# Altium PCB LimeNet-Micro_2v0.PcbDoc (part 2 of 11)
Units mm, origin at the board's own origin, x right, y up, seen from the top; angles counter-clockwise.
Board outline 75 x 143 mm, 6 copper layers (Top, L2, L3, L4, L5, Bottom), stack 1.583 mm thick; 781 components, 551 nets, 3551 pads, 1336 vias.
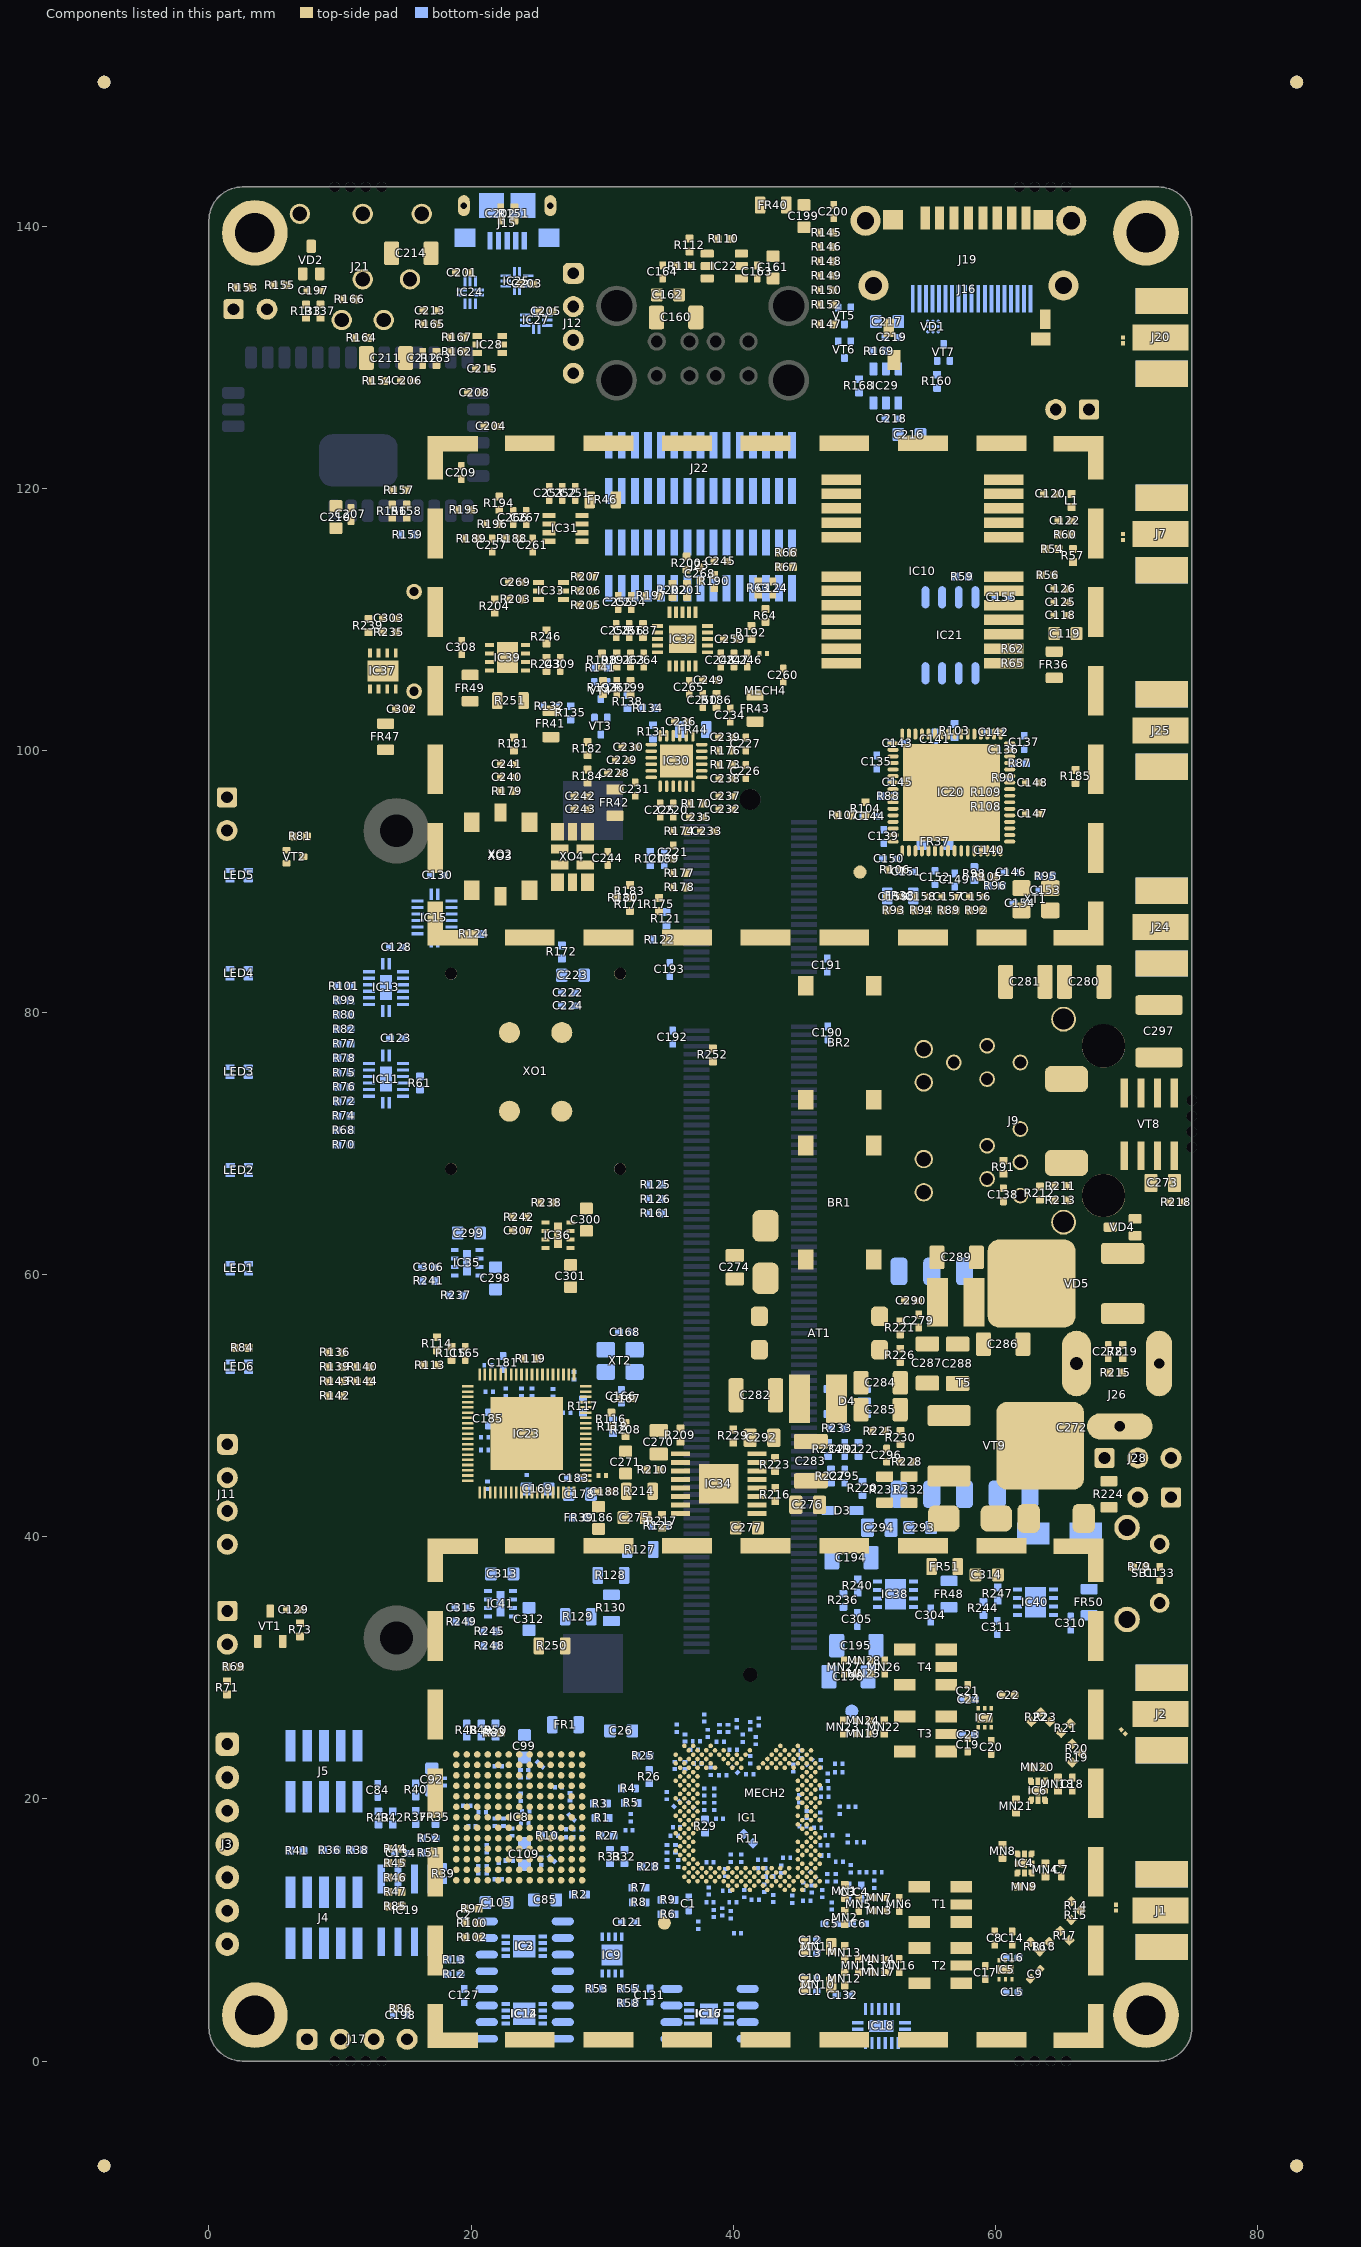
[diagram p6: the components of this part, seen from the top]

## Components (designator, comment, footprint, x,y, rotation, side; value= is the part's Value field where it differs from the comment) (continued)
R75 "100R, 1%" RES0402#1 10.308,75.425 r0 bottom
R76 "100R, 1%" RES0402#1 10.308,74.325 r0 bottom
R77 "100R, 1%" RES0402#1 10.308,77.625 r0 bottom
R78 "100R, 1%" RES0402#1 10.305,76.525 r0 bottom
R79 "10k, 1%" RES0402#2 71,37.7 r0 top
R80 "100R, 1%" RES0402#1 10.308,79.825 r0 bottom
R81 "0R" RES0402#2 6.975,93.45 r0 top
R82 "100R, 1%" RES0402#1 10.308,78.725 r0 bottom
R83 "1k, 1%" RES0402#2 21.772,25.05 r0 top
R84 "249R, 1%" RES0402#2 2.525,54.412 r0 top
R85 "10k, 1%" RES0402#2 14.2,11.8 r0 top
R86 "10k, 1%" RES0402#2 14.625,4 r180 top
R87 "10k, 1%" RES0402#1 61.85,99.025 r180 bottom
R88 "10k, 1%" RES0402#1 51.825,96.525 r0 bottom
R89 "49.9R, 1%" RES0402#2 56.45,87.8 r180 top
R90 "0R" RES0402#1 60.625,97.925 r0 bottom
R91 "10R, 5%" RES0402#2 60.625,68.2 r270 top
R92 "49.9R, 1%" RES0402#2 58.55,87.8 r0 top
R93 "49.9R, 1%" RES0402#2 52.25,87.8 r180 top
R94 "49.9R, 1%" RES0402#2 54.35,87.8 r0 top
R95 "0R" RES0402#1 63.85,90.4 r0 bottom
R96 "0R" RES0402#1 60,89.675 r180 bottom
R97 "10k, 1%" RES0402#2 20.075,11.625 r0 top
R98 "1M, 1%" RES0402#1 58.4,90.6 r90 bottom
R99 "100R, 1%" RES0402#1 10.308,80.925 r180 bottom
R100 "10k, 1%" RES0402#2 20.075,10.525 r0 top
R101 "100R, 1%" RES0402#1 10.307,82.025 r180 bottom
R102 "10k, 1%" RES0402#2 20.075,9.425 r0 top
R103 "10k, 1%" RES0402#1 56.9,101.525 r90 bottom
R104 "0R" RES0402#2 50.1,95.55 r270 top
R105 "12k, 1%" RES0402#2 59.4,90.35 r180 top
R106 "12.4k, 1%" RES0402#2 52.375,90.9 r180 top
R107 "0R" RES0402#2 48.475,95.05 r180 top
R108 "0R" RES0402#1 59.325,95.7 r180 bottom
R109 "0R" RES0402#1 59.325,96.8 r180 bottom
R110 "10k, 1%" RES0402#2 39.295,139.045 r180 top
R111 "44.2k, 1%" RES0402#2 36.17,136.97 r180 top
R112 "44.2k, 1%" RES0402#2 36.67,138.57 r90 top
R113 "0R" RES0402#2 16.9,53.1 r0 top
R114 "4K7, 1%" RES0402#2 17.4,54.725 r90 top
R115 "10k, 1%" RES0402#2 18.5,54 r270 top
R116 "10k, 1%" RES0402#2 30.7,48.975 r90 top
R117 "10k, 1%" RES0402#1 28.55,49.975 r270 bottom
R118 "10k, 1%" RES0402#1 30.825,48.4 r270 bottom
R119 "1k6, 1%" RES0402#2 24.55,53.6 r0 top
R120 "0R" RES0402#1 33.675,91.75 r270 bottom
R121 "100k, 1%" RES0402#1 34.9,87.175 r270 bottom
R122 "100k, 1%" RES0402#1 34.4,85.575 r0 bottom
R123 "1k, 1%" RES0402#1 34.325,40.825 r0 bottom
R124 "0R" RES0402#1 20.25,86 r180 bottom
R125 "100k, 1%" RES0402#1 34.075,66.875 r0 bottom
R126 "100k, 1%" RES0402#1 34.075,65.775 r0 bottom
R127 "0R" RES0805#1 32.9,39.025 r180 bottom
R128 "0R" RES0805#1 30.675,37.05 r180 bottom
R129 "0R" RES0805#1 28.175,33.9 r180 bottom
R130 "0R" RES0805#1 30.7,34.575 r90 bottom
R131 "0R" RES0402#1 33.875,101.425 r90 bottom
R132 "0R" RES0402#1 26,103.375 r0 bottom
R133 "0R" RES0402#2 7.407,133.525 r270 top
R134 "100k, 1%" RES0402#1 33.535,103.235 r180 bottom
R135 "100k, 1%" RES0402#1 27.6,102.875 r270 bottom
R136 "0R" RES0402#2 9.65,54.075 r0 top
R137 "0R" RES0402#2 8.507,133.525 r90 top
R138 "0R" RES0402#1 31.935,103.735 r270 bottom
R139 "0R" RES0402#2 9.65,52.964 r0 top
R140 "3k, 1%" RES0402#2 11.75,52.964 r180 top
R141 "100k, 1%" RES0402#1 29.9,106.325 r180 bottom
R142 "0R" RES0402#2 9.65,50.753 r0 top
R143 "0R" RES0402#2 9.65,51.864 r0 top
R144 "3k, 1%" RES0402#2 11.75,51.864 r180 top
R145 "10R, 5%" RES0402#2 47.125,139.525 r0 top
R146 "10R, 5%" RES0402#2 47.125,138.425 r0 top
R147 "47.5k, 1%" RES0402#2 47.138,132.513 r0 top
R148 "10R, 5%" RES0402#2 47.125,137.325 r0 top
R149 "10R, 5%" RES0402#2 47.125,136.225 r0 top
R150 "10R, 5%" RES0402#2 47.125,135.125 r0 top
R151 "1M" RES0402#2 23.3,140.95 r270 top
R152 "10R, 5%" RES0402#2 47.125,134.025 r0 top
R153 "0R" RES0402#2 2.6,135.325 r0 top
R154 "0R" RES0402#2 12.875,128.2 r180 top
R155 "100k, 1%" RES0402#2 5.425,135.5 r0 top
R156 "1k, 1%" RES0402#2 13.985,118.26 r270 top
R157 "1k, 1%" RES0402#2 14.535,119.86 r0 top
R158 "0R" RES0402#2 15.085,118.26 r90 top
R159 "0R" RES0402#1 15.15,116.475 r180 bottom
R160 "100k, 1%" RES0402#1 55.56,128.175 r90 bottom
R161 "100k, 1%" RES0402#1 34.075,64.675 r0 bottom
R162 "249R, 1%" RES0402#2 18.947,130.425 r180 top
R163 "100R, 1%" RES0402#2 17.347,129.925 r90 top
R164 "2k2, 1%" RES0402#2 11.65,131.485 r180 top
R165 "100R, 1%" RES0402#2 16.875,132.525 r180 top
R166 "2k2, 1%" RES0402#2 10.725,134.425 r0 top
R167 "249R, 1%" RES0402#2 18.947,131.525 r180 top
R168 "10k, 1%" RES0402#1 49.6,127.825 r90 bottom
R169 "44.2k, 1%" RES0402#1 51.15,130.475 r180 bottom
R170 "0R" RES0402#2 37.2,95.95 r180 top
R171 "0R" RES0402_v2 32.125,88.25 r270 top
R172 "0R" RES0402#1 26.925,84.625 r270 bottom
R173 "0R" RES0402#2 39.425,98.9 r180 top
R174 "49.9R, 1%" RES0402#2 35.925,93.85 r180 top
R175 "0R" RES0402_v2 34.35,88.25 r270 top
R176 "0R" RES0402#2 39.425,100 r180 top
R177 "0R" RES0402_v2 35.925,90.65 r0 top
R178 "0R" RES0402_v2 35.925,89.55 r0 top
R179 "0R" RES0402#2 22.761,96.9 r0 top
R180 "0R" RES0402_v2 31.625,88.75 r180 top
R181 "0R" RES0402#2 23.261,100.5 r90 top
R182 "0R" RES0402#2 28.886,100.15 r270 top
R183 "0R" RES0402_v2 32.125,89.25 r270 top
R184 "22R" RES0402#2 28.886,98.05 r270 top
R185 "0R" RES0402#2 66.125,98.025 r90 top
R186 "49.9R, 1%" RES0402#2 38.738,103.825 r90 top
R187 "10R, 5%" RES0402#2 33.113,109.15 r90 top
R188 "1k, 1%" RES0402#2 23.15,116.175 r0 top
R189 "0R" RES0402#2 20.05,116.175 r0 top
R190 "1k, 1%" RES0402#2 38.55,112.9 r90 top
R191 "470R, 0.5%" RES0402#2 31.113,106.9 r270 top
R192 "49.9R, 1%" RES0402#2 41.388,109 r270 top
R193 "0R" RES0402#2 30.063,104.8 r270 top
R194 "3k, 1%" RES0402#2 22.15,118.875 r90 top
R195 "1k, 1%" RES0402#2 19.5,118.375 r180 top
R196 "10k, 1%" RES0402#2 21.65,117.275 r180 top
R197 "10k, 1%" RES0402#2 33.77,111.8 r180 top
R198 "10k, 1%" RES0402#2 30,106.9 r270 top
R199 "330R, 5%" RES0402#2 32.163,104.8 r90 top
R200 "49.9R, 1%" RES0402#2 36.45,114.3 r270 top
R201 "49.9R, 1%" RES0402#2 36.463,112.225 r270 top
R202 "49.9R, 1%" RES0402#2 35.363,112.225 r270 top
R203 "3k, 1%" RES0402#2 23.4,111.525 r0 top
R204 "10k, 1%" RES0402#2 21.8,111.025 r270 top
R205 "49.9R, 1%" RES0402#2 28.8,111.075 r0 top
R206 "49.9R, 1%" RES0402#2 28.8,112.175 r0 top
R207 "49.9R, 1%" RES0402#2 28.8,113.275 r0 top
R208 "10R, 5%" RES0402#2 31.792,48.175 r90 top
R209 "88.7k, 1%" RES0402#2 35.974,47.762 r270 top
R210 "10k, 1%" RES0402#2 33.874,45.112 r0 top
R211 "0R" RES0402#2 65.011,66.765 r0 top
R212 "33k, 1%" RES0402#2 63.4,66.225 r270 top
R213 "0R" RES0402#2 65.011,65.675 r0 top
R214 "52.3R, 1%" RES0805#2 32.85,43.475 r180 top
R215 "15k, 1%" RES0402#2 69.187,52.525 r180 top
R216 "10k, 1%" RES0402#2 43.208,43.225 r270 top
R217 "15k, 1%" RES0402#2 34.574,41.187 r270 top
R218 "330k, 1%" RES0402#2 73.825,65.525 r180 top
R219 "10R, 5%" RES0402#2 69.725,54.125 r270 top
R220 "10R, 5%" RES0402#1 49.875,43.7 r90 bottom
R221 "10R, 5%" RES0402#2 52.745,55.95 r90 top
R222 "21k, 1%" RES0402#1 49.555,46.675 r270 bottom
R223 "1k, 1%" RES0402#2 43.2,45.515 r270 top
R224 "0R" RES0805#2 68.675,43.25 r90 top
R225 "10R, 5%" RES0402#2 51.106,48.067 r0 top
R226 "1k, 1%" RES0402#2 52.745,53.85 r90 top
R227 "10k, 1%" RES0402#1 47.455,44.625 r90 bottom
R228 "100R, 1%" RES0402#2 53.275,45.725 r0 top
R229 "0R" RES0402#2 40,47.7 r90 top
R230 "10k, 1%" RES0402#2 52.775,47.567 r270 top
R231 "0.47R" RES0805#2 51.556,43.6 r270 top
R232 "0.47R" RES0805#2 53.425,43.6 r270 top
R233 "15k, 1%" RES0402#1 47.956,48.275 r180 bottom
R234 "12.4k, 1%" RES0402#1 47.231,46.675 r90 bottom
R235 "1k, 1%" RES0402#2 13.768,109.025 r0 top
R236 "560R, 1%" RES0402#1 48.405,35.154 r270 bottom
R237 "118k, 1%" RES0402#1 18.855,58.425 r0 bottom
R238 "118k, 1%" RES0402#2 25.777,65.5 r0 top
R239 "470R, 0.5%" RES0402#2 12.168,109.525 r90 top
R240 "1k, 1%" RES0402#1 49.505,36.254 r270 bottom
R241 "150k, 1%" RES0402#1 16.755,59.525 r0 bottom
R242 "150k, 1%" RES0402#2 23.677,64.4 r0 top
R243 "1.6k, 1%" RES0402#2 25.75,106.575 r270 top
R244 "750R, 1%" RES0402#1 59.088,34.536 r90 bottom
R245 "0R" RES0402#1 21.405,32.775 r180 bottom
R246 "510R, 1%" RES0402#2 25.75,108.675 r90 top
R247 "1k, 1%" RES0402#1 60.188,35.636 r270 bottom
R248 "187k, 1%" RES0402#1 21.405,31.675 r0 bottom
R249 "82.5k, 1%" RES0402#1 19.305,33.525 r0 bottom
R250 "0R" RES0805#2 26.175,31.675 r180 top
R251 "0R" RES0805#2 23,103.8 r180 top
R252 "22R" RES0402#2 38.45,76.775 r90 top
SB1 "Switch tactile right edge" SW_TACTILE_RIGHT_EDGE 71.3,37.2 r270 bottom
T1 "TC1-1-13M-45+" TC1-1-13MA+_JA4220-AL_ 55.801,11.949 r270 top
T2 "TC1-1-13M-45+" TC1-1-13MA+_JA4220-AL_ 55.811,7.274 r270 top
T3 "TC1-1-13M-45+" TC1-1-13MA+_JA4220-AL_ 54.681,24.953 r270 top
T4 "TC1-1-13M-45+" TC1-1-13MA+_JA4220-AL_ 54.681,30.053 r270 top
T5 "Flyback transformer PoE13P-50L" PoE13P-50L_Flyback_transformer 57.65,51.75 r90 bottom locked
VD1 "ESD5384" TVS_ESD5384NCTBG 55.25,132.35 r90 bottom
VD2 "BAV99WT1G" SC-70_BAV99WT1G 7.8,137.425 r90 top
VD3 "SMAJ58A" SMAJ58A_SHOTTKY_DIODE 42.475,61.725 r90 top
VD4 "BZX84C15W" SOT323 69.725,63.625 r180 top
VD5 "STPS15L30C" STPS15L30C_SHOTTKY_RECTIFIER_DPAK 66.7,59.325 r0 top
VD6 "SMAJ58A" SMAJ58A_SHOTTKY_DIODE 58.075,41.4 r180 top
VD7 "SMBJ5V0A" SMAJ12CA-13-F 64.95,40.25 r0 bottom
VT1 "IRLML6244TRPBF" SOT23-3 4.675,33.175 r90 top
VT2 "DMG1012T" SOT523 6.56,91.889 r0 top
VT3 "DMG1012T" SOT523 29.905,101.863 r270 bottom
VT4 "DMG1012T" SOT523 29.9,104.575 r270 bottom
VT5 "DMG1012T" SOT523 48.493,133.158 r270 bottom
VT6 "DMG1012T" SOT523 48.493,130.588 r270 bottom
VT7 "DMG1012T" SOT523 56.05,130.38 r90 bottom
VT8 "STS10N3LH5" STS10P3LLH6_PMOS_SO8 71.75,71.475 r90 top
VT9 "STD5N20LT4" STD5N20LT4_NMOS_DPAK 59.5,46.95 r180 top locked
XO1 "U7475LF 30.72MHz" AOCJYR-10.000MHZ 24.925,75.475 r270 top locked
XO2 "E6245LF 30.72 MHz" RAKON_RPT7050A 22.25,92.075 r90 top
XO3 "E5280LF 30.72MHz" RAKON_TXCO 22.25,92.075 r90 top
XO4 "RTX5032A, 40.00MHz" RAKON_RTX5032A 27.736,91.875 r270 top
XT1 "25MHz" CRYSTAL_4-LCC#1 63.1,88.65 r180 top
XT2 "30MHz" CRYSTAL_4-LCC#2 31.375,53.425 r0 bottom

## Footprints (in the part's own frame and the unit in brackets; to place one, negate y for a bottom-side part, rotate by r counter-clockwise, add the part's x,y. Pads: shape width x height; smd on the part's side, far side on the other; paste and mask are expansions set on the pad)
10M16SAU169C8G [mm] "BGA, 169-Leads, Body 11,00x11,00mmx1,55mm, Pitch 0,80mm"
  round 0.5 smd mask+0.05: A1(-4.8,4.8) A2(-4,4.8) A3(-3.2,4.8) A4(-2.4,4.8) A5(-1.6,4.8) A6(-0.8,4.8) A7(0,4.8) A8(0.8,4.8) A9(1.6,4.8) A10(2.4,4.8) A11(3.2,4.8) A12(4,4.8) A13(4.8,4.8) B1(-4.8,4) B2(-4,4) B3(-3.2,4) B4(-2.4,4) B5(-1.6,4) B6(-0.8,4) B7(0,4) B8(0.8,4) B9(1.6,4) B10(2.4,4) B11(3.2,4) B12(4,4) B13(4.8,4) C1(-4.8,3.2) C2(-4,3.2) C3(-3.2,3.2) C4(-2.4,3.2) C5(-1.6,3.2) C6(-0.8,3.2) C7(0,3.2) C8(0.8,3.2) C9(1.6,3.2) C10(2.4,3.2) C11(3.2,3.2) C12(4,3.2) C13(4.8,3.2) D1(-4.8,2.4) D2(-4,2.4) D3(-3.2,2.4) D4(-2.4,2.4) D5(-1.6,2.4) D6(-0.8,2.4) D7(0,2.4) D8(0.8,2.4) D9(1.6,2.4) D10(2.4,2.4) D11(3.2,2.4) D12(4,2.4) D13(4.8,2.4) E1(-4.8,1.6) E2(-4,1.6) E3(-3.2,1.6) E4(-2.4,1.6) E5(-1.6,1.6) E6(-0.8,1.6) E7(0,1.6) E8(0.8,1.6) E9(1.6,1.6) E10(2.4,1.6) E11(3.2,1.6) E12(4,1.6) E13(4.8,1.6) F1(-4.8,0.8) F2(-4,0.8) F3(-3.2,0.8) F4(-2.4,0.8) F5(-1.6,0.8) F6(-0.8,0.8) F7(0,0.8) F8(0.8,0.8) F9(1.6,0.8) F10(2.4,0.8) F11(3.2,0.8) F12(4,0.8) F13(4.8,0.8) G1(-4.8,0) G2(-4,0) G3(-3.2,0) G4(-2.4,0) G5(-1.6,0) G6(-0.8,0) G7(0,0) G8(0.8,0) G9(1.6,0) G10(2.4,0) G11(3.2,0) G12(4,0) G13(4.8,0) H1(-4.8,-0.8) H2(-4,-0.8) H3(-3.2,-0.8) H4(-2.4,-0.8) H5(-1.6,-0.8) H6(-0.8,-0.8) H7(0,-0.8) H8(0.8,-0.8) H9(1.6,-0.8) H10(2.4,-0.8) H11(3.2,-0.8) H12(4,-0.8) H13(4.8,-0.8) J1(-4.8,-1.6) J2(-4,-1.6) J3(-3.2,-1.6) J4(-2.4,-1.6) J5(-1.6,-1.6) J6(-0.8,-1.6) J7(0,-1.6) J8(0.8,-1.6) J9(1.6,-1.6) J10(2.4,-1.6) J11(3.2,-1.6) J12(4,-1.6) J13(4.8,-1.6) K1(-4.8,-2.4) K2(-4,-2.4) K3(-3.2,-2.4) K4(-2.4,-2.4) K5(-1.6,-2.4) K6(-0.8,-2.4) K7(0,-2.4) K8(0.8,-2.4) K9(1.6,-2.4) K10(2.4,-2.4) K11(3.2,-2.4) K12(4,-2.4) K13(4.8,-2.4) L1(-4.8,-3.2) L2(-4,-3.2) L3(-3.2,-3.2) L4(-2.4,-3.2) L5(-1.6,-3.2) L6(-0.8,-3.2) L7(0,-3.2) L8(0.8,-3.2) L9(1.6,-3.2) L10(2.4,-3.2) L11(3.2,-3.2) L12(4,-3.2) L13(4.8,-3.2) M1(-4.8,-4) M2(-4,-4) M3(-3.2,-4) M4(-2.4,-4) M5(-1.6,-4) M6(-0.8,-4) M7(0,-4) M8(0.8,-4) M9(1.6,-4) M10(2.4,-4) M11(3.2,-4) M12(4,-4) M13(4.8,-4) N1(-4.8,-4.8) N2(-4,-4.8) N3(-3.2,-4.8) N4(-2.4,-4.8) N5(-1.6,-4.8) N6(-0.8,-4.8) N7(0,-4.8) N8(0.8,-4.8) N9(1.6,-4.8) N10(2.4,-4.8) N11(3.2,-4.8) N12(4,-4.8) N13(4.8,-4.8)
  silkscreen extent -6.37,-5.6 5.6,5.6, body extent -5.5,-5.5 5.5,5.5, height 1.65
74HC595BQ,115 [mm]
  rect 0.9x0.25 smd mask+0.05: 1(-1.8,-0.25) 8(1.8,-0.25) 9(1.8,0.25) 16(-1.8,0.25)
  rect 0.25x0.9 smd mask+0.05: 2(-1.3,-1.3) 3(-0.8,-1.3) 4(-0.3,-1.3) 5(0.2,-1.3) 6(0.7,-1.3) 7(1.2,-1.3) 10(1.2,1.3) 11(0.7,1.3) 12(0.2,1.3) 13(-0.3,1.3) 14(-0.8,1.3) 15(-1.3,1.3)
  rect 1.9x0.9 smd paste-2 mask+0.05: PAD(0,0)
  silkscreen extent -2.3,-1.8 2.3,1.8, body extent -1.8,-1.07 1.8,1.08, height 1
AD5601_SOT23-6 [mm] "SOT23, 6-Leads, Body 2x1.3mm, Pitch 0.65mm, Lead Span 2.1mm, IPC Medium Density"
  rect 0.85x0.4 smd mask+0.05: 1(-0.95,0.65) 2(-0.95,0) 3(-0.95,-0.65) 4(0.95,-0.65) 5(0.95,0) 6(0.95,0.65)
  silkscreen extent -1.07,-1.1 0.15,1.52, body extent -1.05,-1 1.05,1, height 0.43
AD5662_SOT23-8 [mm]
  rect 1x0.4 smd mask+0.05: 1(-1.25,0.975) 2(-1.25,0.325) 3(-1.25,-0.325) 4(-1.25,-0.975) 5(1.25,-0.975) 6(1.25,-0.325) 7(1.25,0.325) 8(1.25,0.975)
  silkscreen extent -1.29,-1.4 0.3,1.51, body extent -1.4,-1.49 1.4,1.45, height 1.2
ADF4002 [mm]
  rect 0.85x0.3 smd mask+0.05: 1(-2.05,1) 2(-2.05,0.5) 3(-2.05,0) 4(-2.05,-0.5) 5(-2.05,-1) 11(2.05,-1) 12(2.05,-0.5) 13(2.05,0) 14(2.05,0.5) 15(2.05,1)
  rect 0.3x0.85 smd mask+0.05: 6(-1,-1.9) 7(-0.5,-1.9) 8(0,-1.9) 9(0.5,-1.9) 10(1,-1.9) 16(1,1.9) 17(0.5,1.9) 18(0,1.9) 19(-0.5,1.9) 20(-1,1.9)
  rect 2.1x2.1 smd: 21(0,0)
  silkscreen extent -2.97,-2.03 2.2,2.02, body extent -2.02,-2.02 2.02,2.02, height 0.8
AOCJYR-10.000MHZ [mm]
  round 0.9 hole 0.9 unplated: 0(-7.5,6.45) 0(-7.5,-6.45) 0(7.4,6.45) 0(7.4,-6.45)
  round 1.6 smd mask+0.05: 1(-3,-2) 2(3,-2) 3(3,2) 4(-3,2)
  Top pour cut-out: 7.4,6.45 7.4,7.55 7.821,7.466 8.178,7.228 8.416,6.871 8.5,6.45 8.5,6.45
  Top pour cut-out: 7.4,6.45 7.4,5.35 6.979,5.434 6.622,5.672 6.384,6.029 6.3,6.45 6.3,6.45
  Top pour cut-out: 7.4,6.45 6.3,6.45 6.384,6.871 6.622,7.228 6.979,7.466 7.4,7.55 7.4,7.55
  Top pour cut-out: 7.4,6.45 8.5,6.45 8.416,6.029 8.178,5.672 7.821,5.434 7.4,5.35 7.4,5.35
  Top pour cut-out: -7.5,6.45 -7.5,7.55 -7.079,7.466 -6.722,7.228 -6.484,6.871 -6.4,6.45 -6.4,6.45
  Top pour cut-out: -7.5,6.45 -7.5,5.35 -7.921,5.434 -8.278,5.672 -8.516,6.029 -8.6,6.45 -8.6,6.45
  Top pour cut-out: -7.5,6.45 -8.6,6.45 -8.516,6.871 -8.278,7.228 -7.921,7.466 -7.5,7.55 -7.5,7.55
  Top pour cut-out: -7.5,6.45 -6.4,6.45 -6.484,6.029 -6.722,5.672 -7.079,5.434 -7.5,5.35 -7.5,5.35
  Top pour cut-out: -7.5,-6.45 -7.5,-5.35 -7.079,-5.434 -6.722,-5.672 -6.484,-6.029 -6.4,-6.45 -6.4,-6.45
  Top pour cut-out: -7.5,-6.45 -7.5,-7.55 -7.921,-7.466 -8.278,-7.228 -8.516,-6.871 -8.6,-6.45 -8.6,-6.45
  Top pour cut-out: -7.5,-6.45 -8.6,-6.45 -8.516,-6.029 -8.278,-5.672 -7.921,-5.434 -7.5,-5.35 -7.5,-5.35
  Top pour cut-out: -7.5,-6.45 -6.4,-6.45 -6.484,-6.871 -6.722,-7.228 -7.079,-7.466 -7.5,-7.55 -7.5,-7.55
  Top pour cut-out: 7.4,-6.45 8.5,-6.45 8.416,-6.871 8.178,-7.228 7.821,-7.466 7.4,-7.55 7.4,-7.55
  Top pour cut-out: 7.4,-6.45 6.3,-6.45 6.384,-6.029 6.622,-5.672 6.979,-5.434 7.4,-5.35 7.4,-5.35
  Top pour cut-out: 7.4,-6.45 7.4,-7.55 6.979,-7.466 6.622,-7.228 6.384,-6.871 6.3,-6.45 6.3,-6.45
  Top pour cut-out: 7.4,-6.45 7.4,-5.35 7.821,-5.434 8.178,-5.672 8.416,-6.029 8.5,-6.45 8.5,-6.45
  Top pour cut-out: 4.9,-0.5 4.9,3.9 -4.9,3.9 -4.9,-3.9 1.525,-3.9 1.525,-0.5
  silkscreen extent -9,-8 9,8, body extent -4.9,-3.75 4.9,3.75, height 4.2
AP7361 [mm] "Low noise LDO"
  rect 0.7x0.3 smd mask+0.05: 1(-1.375,0.975) 2(-1.375,0.325) 3(-1.375,-0.325) 4(-1.375,-0.975) 5(1.375,-0.975) 6(1.375,-0.325) 7(1.375,0.325) 8(1.375,0.975)
  rect 1.6x2.35 smd mask+0.05: 9(0,0)
  silkscreen extent -2.34,-1.7 2,1.7, body extent -1.52,-1.5 1.5,1.5, height 0.8
ATECC508A_UDFN8 [mm]
  rect 0.8x0.3 smd mask+0.05: 1(-1.5,0.75) 2(-1.5,0.25) 3(-1.5,-0.25) 4(-1.5,-0.75) 5(1.5,-0.75) 6(1.5,-0.25) 7(1.5,0.25) 8(1.5,0.75)
  rect 1.4x1.6 smd mask+0.05: PAD(0,0)
  silkscreen extent -1.64,-1.1 1.2,1.24, body extent -1.5,-1 1.5,1, height 0.53
Audio_jack_3.5mm [mm]
  round 1.55 hole 1.1 mask+0.05: 1(2.9,4.8) 2(7.9,-3.6) 3(11,1.6) 4(2.9,-4.5) 5(11,-1.6) 6(2.9,0) 7(7.9,0)
  silkscreen extent 1.3,-5.3 11.6,5, body extent -2.5,-5.3 11.5,4.9, height 5.2
BAT46JFILM_shottky_diode_SOD323 [mm] "SOD-323; 2 Leads; Body 1.8 x 1.35 mm, (LxW)"
  round 0.508 on Mech14: 0(0,0)
  rrect25% 1.1x0.7 smd: A(1.05,0) C(-1.05,0)
  silkscreen extent -1.2,-0.9 0.63,0.75, body extent -1.3,-0.68 1.3,0.67, height 1.1
BUZZER_WST-1203UX [mm]
  round 1.2 hole 0.7 mask+0.05: 1(0,3.8) 2(0,-3.8)
  silkscreen extent -6.3,-6.3 6.3,6.3, body extent -6,-6.03 6,9.43, height 9.65
CAP0201 [mm]
  rect 0.3x0.35 smd mask+0.05: 1(-0.28,0) 2(0.28,0)
  silkscreen extent -0.2,-0.33 0.2,0.32, body extent -0.3,-0.15 0.3,0.15, height 0.25
CAP0402#1 [mm] "Chip Capacitor, Body 1.0x0.5mm, 0402, IPC Medium Density"
  round 0.2 on Mech14: 0(0,0)
  rrect20% 0.6x0.5 smd: 1(-0.5,0) 2(0.5,0)
  Top pour cut-out: -0.2,0.35 0.2,0.35 0.2,-0.35 -0.2,-0.35
  silkscreen extent -1.05,-0.5 1.05,0.5, body extent -0.52,-0.27 0.53,0.28, height 0.55
CAP0402#2 [mm] "Chip Capacitor, Body 1.0x0.5mm, 0402, IPC Medium Density"
  round 0.2 on Mech15: 0(0,0)
  rrect20% 0.6x0.5 smd: 1(-0.5,0) 2(0.5,0)
  Top pour cut-out: -0.2,0.35 0.2,0.35 0.2,-0.35 -0.2,-0.35
  silkscreen extent -1.05,-0.5 1.05,0.5, body extent -0.52,-0.27 0.53,0.28, height 0.55
CAP0603#1 [mm] "Chip Capacitor, Body 1.6x0.8mm, 0603, IPC Medium Density"
  round 0.254 on Mech14: 0(0,0)
  rrect25% 0.9x1 smd: 1(-0.85,0) 2(0.85,0)
  Top pour cut-out: -0.4,0.6 0.4,0.6 0.4,-0.6 -0.4,-0.6
  silkscreen extent -0.18,-0.48 0.18,0.48, body extent -0.85,-0.45 0.85,0.45, height 0.89
CAP0603#2 [mm] "Chip Capacitor, Body 1.6x0.8mm, 0603, IPC Medium Density"
  round 0.254 on Mech15: 0(0,0)
  rrect25% 0.9x1 smd: 1(-0.85,0) 2(0.85,0)
  Top pour cut-out: -0.4,0.6 0.4,0.6 0.4,-0.6 -0.4,-0.6
  silkscreen extent -0.18,-0.48 0.18,0.48, body extent -0.85,-0.45 0.85,0.45, height 0.89
CAP0805#1 [mm] "Chip Capacitor, Body 2.0x1.2mm, 0805, IPC Medium Density"
  round 0.254 on Mech15: 0(0,0)
  rrect25% 1x1.4 smd: 1(-0.9,0) 2(0.9,0)
  Top pour cut-out: -0.4,0.8 0.4,0.8 0.4,-0.8 -0.4,-0.8
  silkscreen extent -0.15,-0.65 0.15,0.65, body extent -1.1,-0.72 1.1,0.73, height 1.34
CAP0805#2 [mm] "Chip Capacitor, Body 2.0x1.2mm, 0805, IPC Medium Density"
  round 0.254 on Mech14: 0(0,0)
  rrect25% 1x1.4 smd: 1(-0.9,0) 2(0.9,0)
  Top pour cut-out: -0.4,0.8 0.4,0.8 0.4,-0.8 -0.4,-0.8
  silkscreen extent -0.15,-0.65 0.15,0.65, body extent -1.1,-0.72 1.1,0.73, height 1.34
CAP1206#1 [mm] "Chip Capacitor, Body 3.2x1.6mm, 1206, IPC Medium Density"
  round 0.508 on Mech15: 0(0,0)
  rrect25% 1.15x1.8 smd: 1(-1.5,0) 2(1.5,0)
  silkscreen extent -0.4,-0.88 0.4,0.88, body extent -1.7,-0.9 1.7,0.9, height 1.74
CAP1206#2 [mm] "Chip Capacitor, Body 3.2x1.6mm, 1206, IPC Medium Density"
  round 0.508 on Mech14: 0(0,0)
  rrect25% 1.15x1.8 smd: 1(-1.5,0) 2(1.5,0)
  silkscreen extent -0.4,-0.88 0.4,0.88, body extent -1.7,-0.9 1.7,0.9, height 1.74
CAP1210 [mm] "Chip Capacitor, Body 3.2x2.5mm, 1210, IPC Medium Density"
  round 0.508 on Mech15: 0(0,0)
  rrect25% 1.15x2.6 smd: 1(-1.5,0) 2(1.5,0)
  silkscreen extent -0.4,-1.4 0.4,1.4, body extent -1.6,-1.25 1.6,1.25, height 1.29
CAP1812 [mm] "Chip Capacitor, Body 3.2x2.5mm, 1210, IPC Medium Density"
  round 0.508 on Mech15: 0(0,0)